# Altium PCB FRONT-UNIT-7.PcbDoc (part 2 of 3)
Units mm, origin at the board's own origin, x right, y up, seen from the top; angles counter-clockwise.
Board outline 280 x 128 mm, 2 copper layers (Top Layer, Top, Bottom Layer, Bottom), stack 1.671 mm thick; 145 components, 118 nets, 623 pads, 1279 vias.
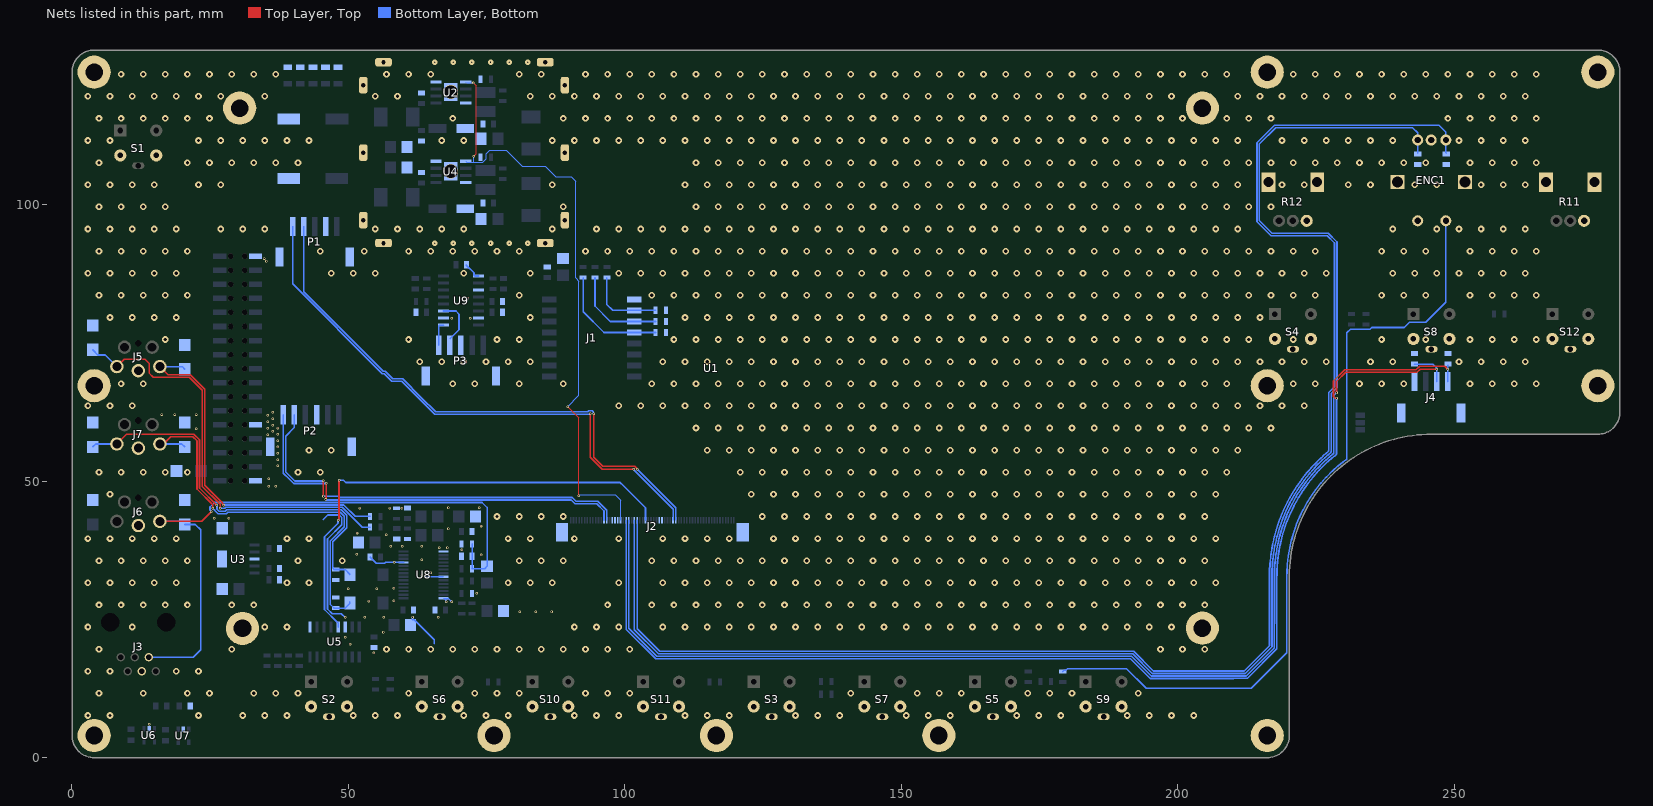
[diagram p2: the nets of this part, all layers, seen from the top]

## Via types
v1: diameter 1.2, hole 0.6, Top Layer, Top to Bottom Layer, Bottom, tented both sides, 1092 vias
v2: diameter 0.45, hole 0.25, Top Layer, Top to Bottom Layer, Bottom, tented both sides, 175 vias
v3: diameter 1, hole 0.25, Top Layer, Top to Bottom Layer, Bottom, tented both sides, 12 vias

## Nets (pads, with @x,y where several pads share a name; then routed paths per layer and width w, separated by ;. In a path a pad name is that pad's centre, name@x,y a point inside that pad or via, vN(x,y) a via of type N, cw(c..) or ccw(c..) an arc to the next point about the centre after c; other vN are vias at no path point) (continued)
CLK: J2.33 U5.13 | length 88.4
  Top Layer, Top w0.3: v2(48.194,42.969) 48.194,43.009 48.311,43.127 v2(48.311,50.203)
  Bottom Layer, Bottom w0.3: U5.13@48.133,23.655 48.133,24.355 47.983,24.505 47.975,24.505 45.673,26.807 45.673,39.949 48.11,42.387 48.11,42.845 48.194,42.928 v2(48.194,42.969) ; v2(48.311,50.203) 49.113,50.203 49.538,49.777 99.143,49.777 99.365,49.555 99.393,49.555 103.725,45.223 J2.33@103.725,42.962
CPU_PW_HOLD: J2.23 P1.5 | length 102.9
  Top Layer, Top w0.254: v2(93.761,62.25) 93.761,54.346 95.944,52.163 101.59,52.163 v2(101.627,52.2)
  Bottom Layer, Bottom w0.254: P1.5@39.891,96.096 39.891,85.734 56.156,69.469 56.464,69.469 57.815,68.118 59.629,68.118 61.346,66.401 65.595,62.152 93.61,62.152 93.708,62.25 v2(93.761,62.25) ; v2(101.627,52.2) 101.627,52.147 101.725,52.049 101.725,51.989 108.725,44.988 J2.23@108.725,42.962
CPU_PW_ON: J2.22 P1.4 | length 102.5
  Top Layer, Top w0.254: v2(94.361,62.25) 94.361,54.386 96.045,52.702 101.835,52.702 102.184,52.352 102.184,52.292 102.227,52.25 v2(102.227,52.197)
  Bottom Layer, Bottom w0.254: P1.4@41.891,96.096 41.891,84.306 56.324,69.873 56.632,69.873 57.982,68.522 59.796,68.522 63.219,65.099 65.762,62.556 93.277,62.556 93.473,62.752 94.118,62.752 94.323,62.547 94.323,62.287 v2(94.361,62.25) ; v2(102.227,52.197) 109.225,45.198 J2.22@109.225,42.962
DCDC_SYNC: J2.42 U2.5 U4.5 | length 110.5
  Top Layer, Top w0.2: v2(72.616,122.047) 73.124,121.539 73.124,109.245 v2(72.642,108.763) ; v2(89.663,63.508) 91.7,61.471 91.7,47.38 v2(91.694,47.374)
  Bottom Layer, Bottom w0.2: U4.5@71.227,107.869 71.425,107.671 72.644,107.671 ; U2.5@71.227,122.225 71.405,122.047 v2(72.616,122.047) ; v2(72.642,108.763) 72.642,107.673 72.644,107.671 ; v2(89.663,63.508) 91.707,65.553 91.707,86.227 91.084,86.85 91.084,104.242 90.272,105.054 87.528,105.054 85.573,107.01 81.411,107.01 78.515,109.906 75.579,109.906 74.922,109.248 74.922,108.303 74.29,107.671 72.644,107.671 ; v2(91.694,47.374) 91.762,47.374 91.965,47.577 98.232,47.577 99.225,46.584 J2.42@99.225,42.962
E1A: C31.2 J2.39 J4.2 | length 219.4
  Top Layer, Top w0.3: v2(228.731,66.04) 228.731,68.049 230.387,69.705 243.288,69.705 243.865,70.282 v2(246.863,70.282)
  Bottom Layer, Bottom w0.3: J2.39@100.725,42.962 100.725,23.43 105.799,18.356 191.658,18.356 195.227,14.788 208.92,14.788 208.926,14.794 212.398,14.794 217.499,19.895 217.499,24.197 217.5,24.239 ccw(c217.2,24.25) 217.5,24.25 217.5,32.804 cw(c220.2,32.81) 217.5,32.861 217.502,32.948 cw(c217.952,32.946) 217.502,32.952 cw(c217.802,32.951) 217.502,32.956 217.504,33.099 ; 217.504,33.1 217.51,33.557 cw(c220.21,33.531) 217.515,33.695 217.588,34.995 cw(c218.487,34.95) 217.589,35.005 217.595,35.12 cw(c220.291,34.97) 217.609,35.285 217.729,36.347 ; 217.729,36.348 217.769,36.698 cw(c220.452,36.403) 217.792,36.862 ; 217.793,36.869 217.799,36.904 ; 217.801,36.919 218.031,38.27 cw(c220.694,37.824) 218.063,38.431 218.075,38.483 cw(c218.514,38.385) 218.076,38.488 218.244,39.224 ccw(c217.952,39.292) 218.244,39.226 218.379,39.817 cw(c221.015,39.229) 218.422,39.985 218.689,40.91 218.816,41.35 cw(c221.414,40.614) 218.87,41.52 218.957,41.767 cw(c220.659,41.183) 218.962,41.784 219.34,42.864 cw(c221.89,41.975) 219.398,43.015 219.445,43.129 ; 219.446,43.13 cw(c220.697,42.623) 219.454,43.149 cw(c221.121,42.471) 219.461,43.167 219.59,43.478 cw(c220.006,43.307) 219.591,43.481 219.944,44.334 cw(c222.441,43.307) 220.011,44.483 220.631,45.771 cw(c223.067,44.606) 220.707,45.918 ; 220.707,45.918 221.099,46.627 cw(c221.494,46.412) 221.102,46.632 ; 221.102,46.632 221.397,47.166 ; 221.397,47.166 cw(c223.764,45.868) 221.481,47.309 222.243,48.521 cw(c224.531,47.088) 222.335,48.659 223.157,49.817 cw(c225.365,48.264) 223.261,49.955 224.145,51.064 cw(c226.264,49.391) 224.257,51.197 225.196,52.248 cw(c225.757,51.75) 225.2,52.252 225.204,52.256 cw(c227.225,50.466) 225.318,52.377 226.333,53.392 cw(c228.244,51.485) 226.456,53.508 226.884,53.891 ccw(c226.685,54.115) 226.887,53.894 227.135,54.115 ccw(c226.936,54.34) 227.137,54.117 227.495,54.437 cw(c228.097,53.768) 227.503,54.444 cw(c227.703,54.221) 227.504,54.445 227.51,54.45 cw(c229.319,52.446) 227.639,54.56 cw(c228.484,53.506) 227.647,54.566 228.059,54.894 cw(c228.343,54.545) 228.063,54.898 228.093,54.922 ccw(c227.906,55.156) 228.206,55.156 228.206,63.688 228.206,65.515 v2(228.731,66.04) ; C31.2@242.849,71.186 246.162,71.186 246.863,70.485 v2(246.863,70.282) J4.2@246.863,68.057
E1B: C30.2 J2.40 J4.1 | length 220.5
  Top Layer, Top w0.3: v2(228.731,64.999) 228.702,65.027 228.444,65.027 228.194,65.278 228.194,68.148 230.2,70.155 243.102,70.155 243.762,70.815 248.31,70.815 v2(248.844,70.282)
  Bottom Layer, Bottom w0.3: J2.40@100.225,42.962 100.225,23.244 105.564,17.906 191.472,17.906 195.04,14.338 210.172,14.338 210.178,14.344 212.584,14.344 217.949,19.708 217.949,22.115 217.95,22.116 217.95,23.788 217.95,24.234 ccw(c217.65,24.243) 217.95,24.242 217.95,31.149 ; 217.95,31.149 217.95,32.807 cw(c220.2,32.81) 217.95,32.853 217.952,32.945 ; 217.952,32.946 217.96,33.551 ; 217.96,33.551 cw(c220.21,33.531) 217.964,33.668 218.037,34.972 cw(c218.487,34.95) 218.038,34.978 218.044,35.095 cw(c220.291,34.97) 218.056,35.231 218.216,36.65 cw(c220.452,36.403) 218.235,36.788 cw(c218.532,36.739) 218.236,36.791 218.243,36.832 cw(c219.575,36.611) 218.245,36.841 218.475,38.196 cw(c220.694,37.824) 218.501,38.329 218.514,38.385 218.818,39.718 cw(c221.015,39.229) 218.854,39.858 219.122,40.788 cw(c219.411,40.706) 219.123,40.79 219.249,41.227 cw(c221.414,40.614) 219.294,41.369 219.382,41.622 cw(c220.659,41.183) 219.387,41.635 ; 219.387,41.635 219.765,42.716 cw(c221.89,41.975) 219.813,42.841 219.863,42.961 ; 219.863,42.961 cw(c220.697,42.623) 219.867,42.972 219.87,42.979 cw(c221.121,42.471) 219.876,42.993 220.006,43.307 220.361,44.164 cw(c222.441,43.307) 220.416,44.286 221.037,45.576 cw(c223.067,44.606) 221.101,45.7 221.494,46.412 221.791,46.948 cw(c223.764,45.868) 221.862,47.069 222.624,48.282 cw(c224.531,47.088) 222.7,48.396 ; 222.7,48.396 223.524,49.557 cw(c225.365,48.264) 223.611,49.673 224.498,50.785 cw(c226.264,49.391) 224.591,50.895 225.533,51.949 cw(c225.757,51.75) 225.535,51.951 225.541,51.958 cw(c227.225,50.466) 225.636,52.059 226.651,53.074 cw(c228.244,51.485) 226.754,53.171 227.435,53.78 227.796,54.103 cw(c228.097,53.768) 227.8,54.105 ccw(c227.602,54.331) 227.803,54.108 227.811,54.116 cw(c229.319,52.446) 227.919,54.207 cw(c228.484,53.506) 227.926,54.213 ; 227.926,54.213 228.341,54.544 ccw(c228.155,54.779) 228.343,54.545 228.459,54.637 ccw(c228.272,54.873) 228.461,54.639 228.478,54.653 cw(c229.042,53.951) 228.482,54.656 228.516,54.683 ; 228.517,54.684 228.638,54.781 cw(c229.202,54.079) 228.642,54.784 228.676,54.811 ccw(c228.489,55.045) 228.731,54.868 v2(228.731,64.999) ; J4.1@248.863,68.057 248.863,70.954 248.895,70.986 C30.2@248.901,70.979
E2A: C29.2 ENC1.3 J2.36 | length 285.3
  Bottom Layer, Bottom w0.3: J2.36@102.225,42.962 102.225,23.353 106.322,19.256 192.031,19.256 195.593,15.694 212.025,15.694 216.599,20.267 216.599,24.47 216.6,24.472 216.6,32.802 cw(c220.2,32.81) 216.601,32.877 216.602,32.955 cw(c217.052,32.951) 216.602,32.958 cw(c217.052,32.955) 216.602,32.962 cw(c217.802,32.951) 216.602,32.97 216.604,33.108 cw(c217.504,33.1) 216.604,33.117 216.61,33.567 cw(c220.21,33.531) 216.617,33.75 216.689,35.04 cw(c218.487,34.95) 216.69,35.053 ccw(c216.391,35.073) 216.69,35.059 216.696,35.171 cw(c220.291,34.97) 216.715,35.39 216.834,36.446 cw(c217.282,36.397) 216.835,36.449 cw(c217.282,36.401) 216.835,36.453 216.874,36.797 cw(c220.452,36.403) 216.905,37.013 cw(c218.532,36.739) 216.906,37.023 216.911,37.052 cw(c219.575,36.611) 216.915,37.075 217.143,38.42 cw(c220.694,37.824) 217.186,38.633 217.196,38.679 cw(c218.514,38.385) 217.199,38.69 217.365,39.419 cw(c218.244,39.226) 217.368,39.431 cw(c217.661,39.365) 217.369,39.433 217.501,40.014 cw(c221.015,39.229) 217.558,40.236 217.823,41.156 ccw(c217.535,41.24) 217.824,41.158 cw(c218.257,41.037) 217.825,41.163 217.95,41.595 ; 217.95,41.595 cw(c221.414,40.614) 218.022,41.823 218.106,42.061 cw(c220.659,41.183) 218.114,42.084 218.49,43.16 cw(c221.89,41.975) 218.567,43.362 218.613,43.473 218.618,43.483 218.621,43.491 ccw(c218.345,43.607) 218.622,43.493 cw(c221.121,42.471) 218.631,43.515 218.757,43.82 cw(c220.006,43.307) 218.762,43.83 ; 218.762,43.83 219.111,44.675 cw(c222.441,43.307) 219.201,44.876 219.819,46.158 cw(c223.067,44.606) 219.92,46.355 220.31,47.059 cw(c221.494,46.412) 220.315,47.069 220.608,47.599 cw(c223.764,45.868) 220.72,47.79 221.479,48.997 cw(c224.531,47.088) 221.603,49.183 222.421,50.335 cw(c225.365,48.264) 222.558,50.517 223.44,51.623 cw(c226.264,49.391) 223.589,51.8 224.522,52.844 ; 224.522,52.844 cw(c225.757,51.75) 224.531,52.855 cw(c227.225,50.466) 224.682,53.014 225.696,54.028 cw(c228.244,51.485) 225.86,54.182 226.279,54.557 cw(c226.884,53.891) 226.282,54.56 cw(c226.887,53.894) 226.289,54.566 226.534,54.785 cw(c227.135,54.115) 226.54,54.79 226.893,55.106 cw(c228.097,53.768) 226.907,55.119 ccw(c226.708,55.343) 226.91,55.121 cw(c229.319,52.446) 227.078,55.263 cw(c228.484,53.506) 227.088,55.271 227.193,55.355 ccw(c227.006,55.589) 227.306,55.589 227.306,66.074 228.356,67.124 228.356,93.105 227.042,94.419 216.882,94.419 214.335,96.966 214.335,111.236 217.526,114.427 247.269,114.427 248.5,113.196 ENC1.3@248.5,111.73 ; ENC1.3@248.495,111.725 248.5,111.72 248.5,109.46 C29.2@248.575,109.385
E2B: C28.2 ENC1.5 J2.37 | length 280.7
  Bottom Layer, Bottom w0.3: J2.37@101.725,42.962 101.725,23.167 106.086,18.806 191.845,18.806 195.406,15.244 212.212,15.244 217.049,20.081 217.049,24.285 217.05,24.286 217.05,32.804 cw(c220.2,32.81) 217.051,32.869 217.052,32.951 ccw(c216.752,32.957) 217.052,32.955 217.052,32.957 cw(c217.802,32.951) 217.052,32.962 217.054,33.104 cw(c217.504,33.1) 217.054,33.109 217.06,33.562 cw(c220.21,33.531) 217.066,33.723 217.139,35.017 cw(c218.487,34.95) 217.139,35.031 217.146,35.145 cw(c220.291,34.97) 217.162,35.337 217.282,36.397 ccw(c216.984,36.433) 217.282,36.401 217.321,36.747 cw(c220.452,36.403) 217.348,36.936 cw(c218.532,36.739) 217.35,36.946 217.355,36.978 cw(c219.575,36.611) 217.358,36.996 217.587,38.344 cw(c220.694,37.824) 217.625,38.533 217.636,38.581 cw(c218.514,38.385) 217.637,38.589 217.805,39.322 cw(c218.244,39.226) 217.806,39.33 217.94,39.915 cw(c221.015,39.229) 217.99,40.11 218.257,41.035 ccw(c217.968,41.118) 218.257,41.037 ; 218.257,41.037 218.383,41.473 cw(c221.414,40.614) 218.446,41.671 218.531,41.915 cw(c220.659,41.183) 218.538,41.935 218.915,43.012 cw(c221.89,41.975) 218.983,43.188 219.03,43.302 cw(c220.697,42.623) 219.037,43.32 cw(c221.121,42.471) 219.046,43.341 219.174,43.65 cw(c220.006,43.307) 219.177,43.657 219.528,44.504 cw(c222.441,43.307) 219.606,44.679 220.225,45.965 cw(c223.067,44.606) 220.314,46.137 220.705,46.844 ; 220.705,46.844 cw(c221.494,46.412) 220.709,46.851 221.002,47.382 cw(c223.764,45.868) 221.101,47.549 221.861,48.759 cw(c224.531,47.088) 221.969,48.921 222.788,50.075 cw(c225.365,48.264) 222.909,50.236 ; 222.909,50.236 223.792,51.343 cw(c226.264,49.391) 223.923,51.499 224.859,52.546 cw(c225.757,51.75) 224.867,52.554 cw(c227.225,50.466) 225,52.696 226.014,53.71 cw(c228.244,51.485) 226.159,53.846 226.291,53.965 226.582,54.224 cw(c226.884,53.891) 226.584,54.226 cw(c226.887,53.894) 226.588,54.23 226.834,54.45 cw(c227.135,54.115) 226.838,54.453 227.194,54.771 cw(c228.097,53.768) 227.202,54.778 cw(c227.703,54.221) 227.206,54.782 227.21,54.785 cw(c229.319,52.446) 227.359,54.911 cw(c228.484,53.506) 227.368,54.918 227.643,55.138 ccw(c227.456,55.372) 227.756,55.372 227.756,65.887 228.806,66.937 228.806,93.292 227.228,94.869 217.068,94.869 214.785,97.152 214.785,111.05 217.712,113.977 242.487,113.977 243.42,113.044 ENC1.5@243.42,111.73 243.42,109.391 C28.2@243.408,109.38
ENC2_SW: ENC1.2 R29.1 | length 141.1
  Bottom Layer, Bottom w0.3: R29.1@179.222,15.606 179.422,15.806 179.763,15.806 180.061,16.104 190.729,16.104 194.295,12.538 213.327,12.538 219.75,18.96 219.75,20.766 219.75,23.043 219.75,32.81 cw(c220.2,32.81) 219.75,32.819 219.76,33.535 cw(c220.21,33.531) 219.761,33.559 ; 219.761,33.559 219.842,34.996 cw(c220.291,34.97) 219.844,35.023 ; 219.844,35.023 220.005,36.453 cw(c220.452,36.403) 220.009,36.478 220.25,37.899 cw(c220.694,37.824) 220.255,37.924 220.575,39.326 cw(c221.015,39.229) 220.582,39.354 220.98,40.736 cw(c221.414,40.614) 220.989,40.765 221.465,42.123 cw(c221.89,41.975) 221.474,42.147 222.026,43.479 cw(c222.441,43.307) 222.036,43.502 222.661,44.801 cw(c223.067,44.606) 222.674,44.825 223.37,46.085 cw(c223.764,45.868) 223.383,46.107 224.15,47.328 cw(c224.531,47.088) 224.165,47.349 224.997,48.522 cw(c225.365,48.264) 225.015,48.546 225.911,49.67 cw(c226.264,49.391) 225.929,49.691 226.889,50.765 cw(c227.225,50.466) 226.907,50.784 227.926,51.803 cw(c228.244,51.485) 227.946,51.823 229.018,52.78 cw(c229.319,52.446) 229.04,52.799 229.859,53.452 230.166,53.696 cw(c230.446,53.345) 230.186,53.712 230.48,53.92 ccw(c230.306,54.165) 230.606,54.165 230.606,76.868 231.255,77.517 234.78,77.517 235.077,77.814 240.99,77.814 241.928,78.752 244.868,78.752 248.49,82.374 ENC1.2@248.49,97.015
ESP_IO0: J1.12 R5.2 R8.1 | length 20.8
  Bottom Layer, Bottom w0.3: R5.2@92.456,86.832 92.456,80.67 96.215,76.911 R8.1@105.578,76.911
ESP_IO2: J1.11 R4.2 R7.1 | length 17.3
  Bottom Layer, Bottom w0.3: R4.2@94.602,86.832 94.602,81.699 97.384,78.918 R7.1@105.578,78.918
ESP_IO15: J1.10 R3.2 R6.1 | length 14.1
  Bottom Layer, Bottom w0.3: R3.2@96.749,86.832 96.749,81.991 97.815,80.924 R6.1@105.578,80.924
GND: C1.2 C2.2 C3.2 C4.2 C5.2 C6.2 C7.2 C8.1 C9.2 C10.1 C11.2 C12.1 C13.2 C14.1 C15.2 C16.1 C17.2 C18.2 C19.1 C20.1 C21.1 C22.2 C23.2 C24.2 C25.1 C26.1 C27.1 C28.1 C29.1 C30.1 C31.1 C32.2 C33.2 C35.2 C36.1 C38.1 C39.1 C40.1 C41.2 C43.1 C44.2 C45.1 C48.2 C49.2 C52.2 C53.2 D1.2 D2.2 D3.2 D4.2 D5.2 D6.2 D7.2 ENC1.1 ENC1.4 ENC1.6 ENC1.7 J1.9 J2.27 J2.28 J2.43 J2.44 J2.45 J2.61 J2.62 J3.3 J4.4 J4.5 J4.6 J5.2 J6.2 J7.2 P1.2 P1.MP1 P1.MP2 P2.3 P2.MP1 P2.MP2 P3.3 P3.MP1 P3.MP2 pad. pad.7 R1.1 R6.2 R7.2 R8.2 R9.1 R11.3 R11.4 R11.5 R12.3 R12.4 R12.5 R34.1 R37.1 R38.1 R41.1 R42.1 R43.1 S1.3 S1.4 S2.3 S2.4 S2.5 S3.3 S3.4 S3.5 S4.3 S4.4 S4.5 S5.3 S5.4 S5.5 S6.3 S6.4 S6.5 S7.3 S7.4 S7.5 S8.3 S8.4 S8.5 S9.3 S9.4 S9.5 S10.3 S10.4 S10.5 S11.3 S11.4 S11.5 S12.3 S12.4 S12.5 U1.0 U1.2 U1.26 U1.34 U2.4 U2.8 U2.9 U3.3 U3.6 U4.4 U4.8 U4.9 U5.9 U5.14 U6.2 U7.2 U8.11 U8.15 U8.22 U8.28 U9.2 U9.9 U9.11 U9.15 | length 47.2
  Bottom Layer, Bottom w0.3: 45.464,43.076 46.288,43.9 48.374,43.9 48.808,43.466 48.808,42.153 46.228,39.573 46.228,26.889 47.056,26.06 48.717,26.06 v2(49.403,25.375) ; C40.1@53.959,36.334 53.959,36.234 55.039,35.154 56.546,35.154 56.723,35.331 v2(58.268,35.331) 58.269,35.333 59.982,35.333 U8.11@59.983,35.334 ; v2(61.595,25.375) 61.595,24.978 61.609,24.965 61.9,24.965 65.507,21.358 65.507,20.658 ; 64.135,32.791 64.192,32.734 U8.22@67.183,32.734 ; U8.28@67.233,28.784 U8.28@67.633,28.784 ; v2(67.716,28.194) 67.716,28.235 67.633,28.318 U8.28@67.633,28.784 ; v2(68.682,28.194) 68.091,28.784 U8.28@67.633,28.784 ; C53.2@71.333,89.154 71.333,89.076 72.712,87.698 72.712,87.296 72.862,87.146 U9.9@73.562,87.146
  other v1: 2.881,7.638 6.881,7.638 22.881,7.638 30.881,7.638 34.881,7.638 38.881,7.638 50.881,7.638 54.881,7.638 58.881,7.638 70.881,7.638 74.881,7.638 78.881,7.638 90.881,7.638 94.881,7.638 98.881,7.638 110.881,7.638 114.881,7.638 118.881,7.638 130.881,7.638 134.881,7.638 138.881,7.638 150.881,7.638 154.881,7.638 158.881,7.638 170.881,7.638 174.881,7.638 178.881,7.638 190.881,7.638 194.881,7.638 198.881,7.638 202.881,7.638 4.881,11.638 12.881,11.638 20.881,11.638 24.881,11.638 32.881,11.638 36.881,11.638 40.881,11.638 60.881,11.638 72.881,11.638 76.881,11.638 80.881,11.638 92.881,11.638 96.881,11.638 100.881,11.638 140.881,11.638 152.881,11.638 156.881,11.638 160.881,11.638 172.881,11.638 176.881,11.638 180.881,11.638 192.881,11.638 2.881,15.638 6.881,15.638 18.881,15.638 22.881,15.638 4.881,19.638 28.881,19.638 56.881,19.638 60.881,19.638 64.881,19.638 68.881,19.638 72.881,19.638 76.881,19.638 80.881,19.638 84.881,19.638 88.881,19.638 92.881,19.638 96.881,19.638 100.881,19.638 196.881,19.638 200.881,19.638 204.881,19.638 2.881,23.638 10.881,23.638 34.881,23.638 38.881,23.638 90.881,23.638 94.881,23.638 98.881,23.638 106.881,23.638 110.881,23.638 114.881,23.638 118.881,23.638 122.881,23.638 126.881,23.638 130.881,23.638 134.881,23.638 138.881,23.638 142.881,23.638 146.881,23.638 150.881,23.638 154.881,23.638 158.881,23.638 162.881,23.638 166.881,23.638 170.881,23.638 174.881,23.638 178.881,23.638 182.881,23.638 186.881,23.638 190.881,23.638 194.881,23.638 198.881,23.638 4.881,27.638 8.881,27.638 12.881,27.638 16.881,27.638 20.881,27.638 28.881,27.638 32.881,27.638 96.881,27.638 104.881,27.638 108.881,27.638 112.881,27.638 116.881,27.638 120.881,27.638 124.881,27.638 128.881,27.638 132.881,27.638 136.881,27.638 140.881,27.638 144.881,27.638 148.881,27.638 152.881,27.638 156.881,27.638 160.881,27.638 164.881,27.638 168.881,27.638 172.881,27.638 176.881,27.638 180.881,27.638 184.881,27.638 188.881,27.638 192.881,27.638 196.881,27.638 200.881,27.638 204.881,27.638 2.881,31.638 6.881,31.638 10.881,31.638 14.881,31.638 18.881,31.638 38.881,31.638 42.881,31.638 78.881,31.638 82.881,31.638 86.881,31.638 98.881,31.638 106.881,31.638 110.881,31.638 114.881,31.638 118.881,31.638 122.881,31.638 126.881,31.638 130.881,31.638 134.881,31.638 138.881,31.638 142.881,31.638 146.881,31.638 150.881,31.638 154.881,31.638 158.881,31.638 162.881,31.638 166.881,31.638 170.881,31.638 174.881,31.638 178.881,31.638 182.881,31.638 186.881,31.638 190.881,31.638 194.881,31.638 198.881,31.638 202.881,31.638 206.881,31.638 4.881,35.638 8.881,35.638 12.881,35.638 16.881,35.638 20.881,35.638 40.881,35.638 48.881,35.638 80.881,35.638 84.881,35.638 88.881,35.638 104.881,35.638 108.881,35.638 112.881,35.638 116.881,35.638 120.881,35.638 124.881,35.638 128.881,35.638 132.881,35.638 136.881,35.638 140.881,35.638 144.881,35.638 148.881,35.638 152.881,35.638 156.881,35.638 160.881,35.638 164.881,35.638 168.881,35.638 172.881,35.638 176.881,35.638 180.881,35.638 184.881,35.638 188.881,35.638 192.881,35.638 196.881,35.638 200.881,35.638 204.881,35.638 2.881,39.638 6.881,39.638 10.881,39.638 14.881,39.638 18.881,39.638 38.881,39.638 42.881,39.638 78.881,39.638 82.881,39.638 90.881,39.638 98.881,39.638 106.881,39.638 110.881,39.638 114.881,39.638 118.881,39.638 126.881,39.638 130.881,39.638 134.881,39.638 138.881,39.638 142.881,39.638 146.881,39.638 150.881,39.638 154.881,39.638 158.881,39.638 162.881,39.638 166.881,39.638 170.881,39.638 174.881,39.638 178.881,39.638 182.881,39.638 186.881,39.638 190.881,39.638 194.881,39.638 198.881,39.638 202.881,39.638 206.881,39.638 76.881,43.638 80.881,43.638 84.881,43.638 88.881,43.638 124.881,43.638 128.881,43.638 132.881,43.638 136.881,43.638 140.881,43.638 144.881,43.638 148.881,43.638 152.881,43.638 156.881,43.638 160.881,43.638 164.881,43.638 168.881,43.638 172.881,43.638 176.881,43.638 180.881,43.638 184.881,43.638 188.881,43.638 192.881,43.638 196.881,43.638 200.881,43.638 204.881,43.638 6.881,47.638 122.881,47.638 126.881,47.638 130.881,47.638 134.881,47.638 138.881,47.638 142.881,47.638 146.881,47.638 150.881,47.638 154.881,47.638 158.881,47.638 162.881,47.638 166.881,47.638 170.881,47.638 174.881,47.638 178.881,47.638 182.881,47.638 186.881,47.638 190.881,47.638 194.881,47.638 198.881,47.638 202.881,47.638 206.881,47.638 4.881,51.638 8.881,51.638 12.881,51.638 16.881,51.638 20.881,51.638 40.881,51.638 44.881,51.638 120.881,51.638 124.881,51.638 128.881,51.638 132.881,51.638 136.881,51.638 140.881,51.638 144.881,51.638 148.881,51.638 152.881,51.638 156.881,51.638 160.881,51.638 164.881,51.638 168.881,51.638 172.881,51.638 176.881,51.638 180.881,51.638 184.881,51.638 188.881,51.638 192.881,51.638 196.881,51.638 200.881,51.638 204.881,51.638 208.881,51.638 42.881,55.638 46.881,55.638 114.881,55.638 118.881,55.638 122.881,55.638 126.881,55.638 130.881,55.638 134.881,55.638 138.881,55.638 142.881,55.638 146.881,55.638 150.881,55.638 154.881,55.638 158.881,55.638 162.881,55.638 166.881,55.638 170.881,55.638 174.881,55.638 178.881,55.638 182.881,55.638 186.881,55.638 190.881,55.638 194.881,55.638 198.881,55.638 202.881,55.638 206.881,55.638 210.881,55.638 112.881,59.638 116.881,59.638 120.881,59.638 124.881,59.638 128.881,59.638 132.881,59.638 136.881,59.638 140.881,59.638 144.881,59.638 148.881,59.638 152.881,59.638 156.881,59.638 160.881,59.638 164.881,59.638 168.881,59.638 172.881,59.638 176.881,59.638 180.881,59.638 184.881,59.638 188.881,59.638 192.881,59.638 196.881,59.638 200.881,59.638 204.881,59.638 208.881,59.638 212.881,59.638 216.881,59.638 2.881,63.638 6.881,63.638 10.881,63.638 98.881,63.638 102.881,63.638 106.881,63.638 110.881,63.638 114.881,63.638 118.881,63.638 122.881,63.638 126.881,63.638 130.881,63.638 134.881,63.638 138.881,63.638 142.881,63.638 146.881,63.638 150.881,63.638 154.881,63.638 158.881,63.638 162.881,63.638 166.881,63.638 170.881,63.638 174.881,63.638 178.881,63.638 182.881,63.638 186.881,63.638 190.881,63.638 194.881,63.638 198.881,63.638 202.881,63.638 206.881,63.638 210.881,63.638 214.881,63.638 218.881,63.638 222.881,63.638 8.881,67.638 12.881,67.638 68.881,67.638 72.881,67.638 80.881,67.638 88.881,67.638 104.881,67.638 108.881,67.638 112.881,67.638 116.881,67.638 120.881,67.638 124.881,67.638 128.881,67.638 132.881,67.638 136.881,67.638 140.881,67.638 144.881,67.638 148.881,67.638 152.881,67.638 156.881,67.638 160.881,67.638 164.881,67.638 168.881,67.638 172.881,67.638 176.881,67.638 180.881,67.638 184.881,67.638 188.881,67.638 192.881,67.638 196.881,67.638 200.881,67.638 204.881,67.638 208.881,67.638 220.881,67.638 224.881,67.638 232.881,67.638 236.881,67.638 240.881,67.638 252.881,67.638 256.881,67.638 260.881,67.638 264.881,67.638 62.881,71.638 66.881,71.638 70.881,71.638 74.881,71.638 78.881,71.638 82.881,71.638 106.881,71.638 110.881,71.638 114.881,71.638 118.881,71.638 122.881,71.638 126.881,71.638 130.881,71.638 134.881,71.638 138.881,71.638 142.881,71.638 146.881,71.638 150.881,71.638 154.881,71.638 158.881,71.638 162.881,71.638 166.881,71.638 170.881,71.638 174.881,71.638 178.881,71.638 182.881,71.638 186.881,71.638 190.881,71.638 194.881,71.638 198.881,71.638 202.881,71.638 206.881,71.638 210.881,71.638 214.881,71.638 218.881,71.638 222.881,71.638 226.881,71.638 234.881,71.638 238.881,71.638 250.881,71.638 254.881,71.638 258.881,71.638 262.881,71.638 16.881,75.638 60.881,75.638 76.881,75.638 80.881,75.638 108.881,75.638 112.881,75.638 116.881,75.638 120.881,75.638 124.881,75.638 128.881,75.638 132.881,75.638 136.881,75.638 140.881,75.638 144.881,75.638 148.881,75.638 152.881,75.638 156.881,75.638 160.881,75.638 164.881,75.638 168.881,75.638 172.881,75.638 176.881,75.638 180.881,75.638 184.881,75.638 188.881,75.638 192.881,75.638 196.881,75.638 200.881,75.638 204.881,75.638 208.881,75.638 212.881,75.638 220.881,75.638 236.881,75.638 244.881,75.638 252.881,75.638 256.881,75.638 260.881,75.638 264.881,75.638 6.881,79.638 10.881,79.638 14.881,79.638 18.881,79.638 82.881,79.638 110.881,79.638 114.881,79.638 118.881,79.638 122.881,79.638 126.881,79.638 130.881,79.638 134.881,79.638 138.881,79.638 142.881,79.638 146.881,79.638 150.881,79.638 154.881,79.638 158.881,79.638 162.881,79.638 166.881,79.638 170.881,79.638 174.881,79.638 178.881,79.638 182.881,79.638 186.881,79.638 190.881,79.638 194.881,79.638 198.881,79.638 202.881,79.638 206.881,79.638 210.881,79.638 214.881,79.638 4.881,83.638 8.881,83.638 12.881,83.638 16.881,83.638 20.881,83.638 80.881,83.638 104.881,83.638 108.881,83.638 112.881,83.638 116.881,83.638 120.881,83.638 124.881,83.638 128.881,83.638 132.881,83.638 136.881,83.638 140.881,83.638 144.881,83.638 148.881,83.638 152.881,83.638 156.881,83.638 160.881,83.638 164.881,83.638 168.881,83.638 172.881,83.638 176.881,83.638 180.881,83.638 184.881,83.638 188.881,83.638 192.881,83.638 196.881,83.638 200.881,83.638 204.881,83.638 208.881,83.638 212.881,83.638 216.881,83.638 220.881,83.638 224.881,83.638 236.881,83.638 240.881,83.638 244.881,83.638 252.881,83.638 256.881,83.638 260.881,83.638 264.881,83.638 2.881,87.638 6.881,87.638 10.881,87.638 14.881,87.638 18.881,87.638 46.881,87.638 50.881,87.638 54.881,87.638 70.881,87.638 82.881,87.638 98.881,87.638 102.881,87.638 106.881,87.638 110.881,87.638 114.881,87.638 118.881,87.638 122.881,87.638 126.881,87.638 130.881,87.638 134.881,87.638 138.881,87.638 142.881,87.638 146.881,87.638 150.881,87.638 154.881,87.638 158.881,87.638 162.881,87.638 166.881,87.638 170.881,87.638 174.881,87.638 178.881,87.638 182.881,87.638 186.881,87.638 190.881,87.638 194.881,87.638 198.881,87.638 202.881,87.638 206.881,87.638 210.881,87.638 214.881,87.638 218.881,87.638 222.881,87.638 226.881,87.638 238.881,87.638 242.881,87.638 246.881,87.638 250.881,87.638 254.881,87.638 258.881,87.638 262.881,87.638 4.881,91.638 8.881,91.638 12.881,91.638 16.881,91.638 20.881,91.638 44.881,91.638 52.881,91.638 60.881,91.638 64.881,91.638 68.881,91.638 72.881,91.638 76.881,91.638 80.881,91.638 92.881,91.638 96.881,91.638 100.881,91.638 104.881,91.638 108.881,91.638 112.881,91.638 116.881,91.638 120.881,91.638 124.881,91.638 128.881,91.638 132.881,91.638 136.881,91.638 140.881,91.638 144.881,91.638 148.881,91.638 152.881,91.638 156.881,91.638 160.881,91.638 164.881,91.638 168.881,91.638 172.881,91.638 176.881,91.638 180.881,91.638 184.881,91.638 188.881,91.638 192.881,91.638 196.881,91.638 200.881,91.638 204.881,91.638 208.881,91.638 212.881,91.638 216.881,91.638 220.881,91.638 224.881,91.638 236.881,91.638 240.881,91.638 244.881,91.638 252.881,91.638 256.881,91.638 260.881,91.638 264.881,91.638 2.881,95.638 6.881,95.638 10.881,95.638 14.881,95.638 18.881,95.638 26.881,95.638 30.881,95.638 34.881,95.638 54.881,95.638 58.881,95.638 62.881,95.638 66.881,95.638 70.881,95.638 86.881,95.638 94.881,95.638 98.881,95.638 102.881,95.638 106.881,95.638 110.881,95.638 114.881,95.638 118.881,95.638 122.881,95.638 126.881,95.638 130.881,95.638 134.881,95.638 138.881,95.638 142.881,95.638 146.881,95.638 150.881,95.638 154.881,95.638 158.881,95.638 162.881,95.638 166.881,95.638 170.881,95.638 174.881,95.638 178.881,95.638 182.881,95.638 186.881,95.638 190.881,95.638 194.881,95.638 198.881,95.638 202.881,95.638 206.881,95.638 210.881,95.638 238.881,95.638 246.881,95.638 250.881,95.638 254.881,95.638 258.881,95.638 262.881,95.638 4.881,99.638 8.881,99.638 12.881,99.638 16.881,99.638 88.881,99.638 112.881,99.638 116.881,99.638 120.881,99.638 124.881,99.638 128.881,99.638 132.881,99.638 136.881,99.638 140.881,99.638 144.881,99.638 148.881,99.638 152.881,99.638 156.881,99.638 160.881,99.638 164.881,99.638 168.881,99.638 172.881,99.638 176.881,99.638 180.881,99.638 184.881,99.638 188.881,99.638 192.881,99.638 196.881,99.638 200.881,99.638 204.881,99.638 208.881,99.638 212.881,99.638 216.881,99.638 2.881,103.638 6.881,103.638 10.881,103.638 14.881,103.638 22.881,103.638 26.881,103.638 86.881,103.638 110.881,103.638 114.881,103.638 118.881,103.638 122.881,103.638 126.881,103.638 130.881,103.638 134.881,103.638 138.881,103.638 142.881,103.638 146.881,103.638 150.881,103.638 154.881,103.638 158.881,103.638 162.881,103.638 166.881,103.638 170.881,103.638 174.881,103.638 178.881,103.638 182.881,103.638 186.881,103.638 190.881,103.638 194.881,103.638 198.881,103.638 202.881,103.638 206.881,103.638 210.881,103.638 218.881,103.638 222.881,103.638 230.881,103.638 234.881,103.638 242.881,103.638 246.881,103.638 254.881,103.638 258.881,103.638 262.881,103.638 4.881,107.638 20.881,107.638 24.881,107.638 28.881,107.638 32.881,107.638 36.881,107.638 40.881,107.638 112.881,107.638 116.881,107.638 120.881,107.638 124.881,107.638 128.881,107.638 132.881,107.638 136.881,107.638 140.881,107.638 144.881,107.638 148.881,107.638 152.881,107.638 156.881,107.638 160.881,107.638 164.881,107.638 168.881,107.638 172.881,107.638 176.881,107.638 180.881,107.638 184.881,107.638 188.881,107.638 192.881,107.638 196.881,107.638 200.881,107.638 204.881,107.638 208.881,107.638 212.881,107.638 216.881,107.638 220.881,107.638 224.881,107.638 228.881,107.638 232.881,107.638 236.881,107.638 240.881,107.638 244.881,107.638 252.881,107.638 256.881,107.638 260.881,107.638 264.881,107.638 2.881,111.638 6.881,111.638 22.881,111.638 26.881,111.638 30.881,111.638 34.881,111.638 38.881,111.638 42.881,111.638 66.881,111.638 70.881,111.638 86.881,111.638 90.881,111.638 94.881,111.638 98.881,111.638 102.881,111.638 106.881,111.638 110.881,111.638 114.881,111.638 118.881,111.638 122.881,111.638 126.881,111.638 130.881,111.638 134.881,111.638 138.881,111.638 142.881,111.638 146.881,111.638 150.881,111.638 154.881,111.638 158.881,111.638 162.881,111.638 166.881,111.638 170.881,111.638 174.881,111.638 178.881,111.638 182.881,111.638 186.881,111.638 190.881,111.638 194.881,111.638 198.881,111.638 202.881,111.638 206.881,111.638 210.881,111.638 218.881,111.638 222.881,111.638 226.881,111.638 230.881,111.638 234.881,111.638 238.881,111.638 250.881,111.638 254.881,111.638 258.881,111.638 262.881,111.638 4.881,115.638 8.881,115.638 12.881,115.638 16.881,115.638 20.881,115.638 24.881,115.638 68.881,115.638 88.881,115.638 92.881,115.638 96.881,115.638 100.881,115.638 104.881,115.638 108.881,115.638 112.881,115.638 116.881,115.638 120.881,115.638 124.881,115.638 128.881,115.638 132.881,115.638 136.881,115.638 140.881,115.638 144.881,115.638 148.881,115.638 152.881,115.638 156.881,115.638 160.881,115.638 164.881,115.638 168.881,115.638 172.881,115.638 176.881,115.638 180.881,115.638 184.881,115.638 188.881,115.638 192.881,115.638 196.881,115.638 200.881,115.638 208.881,115.638 212.881,115.638 216.881,115.638 248.881,115.638 252.881,115.638 256.881,115.638 260.881,115.638 264.881,115.638 2.881,119.638 6.881,119.638 10.881,119.638 14.881,119.638 18.881,119.638 22.881,119.638 26.881,119.638 34.881,119.638 54.881,119.638 58.881,119.638 82.881,119.638 86.881,119.638 90.881,119.638 94.881,119.638 98.881,119.638 102.881,119.638 106.881,119.638 110.881,119.638 114.881,119.638 118.881,119.638 122.881,119.638 126.881,119.638 130.881,119.638 134.881,119.638 138.881,119.638 142.881,119.638 146.881,119.638 150.881,119.638 154.881,119.638 158.881,119.638 162.881,119.638 166.881,119.638 170.881,119.638 174.881,119.638 178.881,119.638 182.881,119.638 186.881,119.638 190.881,119.638 194.881,119.638 198.881,119.638 210.881,119.638 214.881,119.638 218.881,119.638 222.881,119.638 226.881,119.638 230.881,119.638 234.881,119.638 238.881,119.638 242.881,119.638 246.881,119.638 250.881,119.638 254.881,119.638 258.881,119.638 262.881,119.638 8.881,123.638 12.881,123.638 16.881,123.638 20.881,123.638 24.881,123.638 28.881,123.638 32.881,123.638 36.881,123.638 56.881,123.638 60.881,123.638 64.881,123.638 80.881,123.638 84.881,123.638 92.881,123.638 96.881,123.638 100.881,123.638 104.881,123.638 108.881,123.638 112.881,123.638 116.881,123.638 120.881,123.638 124.881,123.638 128.881,123.638 132.881,123.638 136.881,123.638 140.881,123.638 144.881,123.638 148.881,123.638 152.881,123.638 156.881,123.638 160.881,123.638 164.881,123.638 168.881,123.638 172.881,123.638 176.881,123.638 180.881,123.638 184.881,123.638 188.881,123.638 192.881,123.638 196.881,123.638 200.881,123.638 204.881,123.638 208.881,123.638 220.881,123.638 224.881,123.638 228.881,123.638 232.881,123.638 236.881,123.638 240.881,123.638 244.881,123.638 248.881,123.638 252.881,123.638 256.881,123.638 260.881,123.638 264.881,123.638
  other v2: 13.995,6.071 54.61,18.948 50.292,20.523 49.403,21.768 56.337,22.682 52.984,25.375 56.388,25.375 66.243,25.375 80.988,26.416 83.864,26.416 86.741,26.416 53.696,28.346 58.242,28.372 73.203,29.743 55.093,30.556 49.962,30.582 58.242,30.632 63.297,32.918 64.897,33.426 63.297,35.789 74.016,36.678 51.537,36.779 70.536,37.617 66.421,37.948 67.92,37.948 57.658,38.252 63.297,38.252 59.766,38.278 56.871,40.31 51.562,40.64 68.097,41.402 73.99,41.91 25.756,43.307 28.397,43.307 59.69,45.136 52.019,45.161 57.48,45.161 68.097,45.187 73.66,45.212 35.585,49.098 36.855,49.098 35.585,50.495 37.211,52.781 37.211,53.924 37.211,55.067 37.211,56.21 37.211,57.353 35.382,58.42 37.211,58.496 36.297,59.03 22.504,59.487 35.382,59.563 37.211,59.639 36.297,60.173 35.382,60.757 36.297,61.316 35.382,61.925 16.231,62.078 18.567,62.078 22.504,62.078 36.297,62.459 68.707,79.502 72.06,79.502 71.628,83.083 35.179,89.814 34.798,90.297
  other v3: 65.594,93.091 68.965,93.091 72.336,93.091 75.707,93.091 79.078,93.091 82.448,93.091 65.594,125.808 68.965,125.808 72.336,125.808 75.707,125.808 79.078,125.808 82.448,125.808
HEADPHONE_L: C46.1 D7.1 J7.3 R42.2 | length 71.7
  Top Layer, Top w0.3: J7.3@15.9,56.75 16.308,57.158 16.975,57.158 17.889,58.072 21.862,58.072 22.606,57.328 22.606,48.614 25.451,45.769 25.451,45.161 v2(25.476,45.136)
  Bottom Layer, Bottom w0.3: J7.3@15.9,56.75 19.875,56.75 D7.1@20.4,56.225 ; v2(25.476,45.136) 25.476,45.095 25.772,44.8 25.772,44.782 26.419,44.135 27.933,44.135 28.175,44.377 48.533,44.377 49.258,43.653 49.258,41.766 46.743,39.252 46.743,34.236 46.743,27.724 47.396,27.071 47.396,27.066 49.409,27.066 50.254,27.911 C46.1@50.254,28.016 C46.1@50.254,28.186
HEADPHONE_R: C47.1 D6.1 J7.6 R43.2 | length 72.9
  Top Layer, Top w0.3: J7.6@8.1,56.75 9.872,58.522 22.049,58.522 23.056,57.514 23.056,48.801 v2(26.213,45.644)
  Bottom Layer, Bottom w0.3: D6.1@3.759,56.225 4.284,56.75 J7.6@8.1,56.75 ; v2(26.213,45.644) 26.222,45.635 26.222,44.969 26.605,44.585 27.747,44.585 27.988,44.827 48.72,44.827 49.708,43.839 49.708,41.58 47.193,39.065 47.193,34.422 47.201,34.414 47.201,34.246 47.401,34.046 49.409,34.046 50.254,33.201 C47.1@50.254,33.096
KEY_IN_DASH: J2.48 P2.6 | length 75
  Top Layer, Top w0.3: v2(45.898,46.711) 45.926,46.739 45.926,46.962 46.016,47.052 46.016,49.578 45.957,49.637 v2(45.957,49.678)
  Bottom Layer, Bottom w0.3: P2.6@38.231,62.006 38.231,51.483 39.293,50.422 40.111,49.603 45.841,49.603 45.916,49.678 v2(45.957,49.678) ; v2(45.898,46.711) 45.938,46.711 46.022,46.627 90.303,46.627 90.981,45.949 94.901,45.949 96.225,44.625 J2.48@96.225,42.962
KEY_IN_DOT: J2.47 P2.5 | length 75.4
  Top Layer, Top w0.3: v2(45.466,50.128) 45.466,50.087 45.432,50.053 45.432,47.435 45.463,47.404 45.463,47.298 v2(45.491,47.269)
  Bottom Layer, Bottom w0.3: P2.5@40.231,62.006 40.231,59.716 38.681,58.166 38.681,51.67 39.479,50.872 40.298,50.053 45.35,50.053 45.425,50.128 v2(45.466,50.128) ; v2(45.491,47.269) 48.228,47.269 48.42,47.077 90.489,47.077 91.168,46.399 95.088,46.399 96.725,44.761 J2.47@96.725,42.962
L+: P3.5 U9.1 | length 4.4
  Bottom Layer, Bottom w0.3: P3.5@66.358,74.582 66.358,78.102 66.512,78.256 U9.1@67.212,78.256
L-: P3.4 U9.3 | length 8.1
  Bottom Layer, Bottom w0.3: U9.3@67.213,80.797 69.45,80.797 70.009,80.239 70.009,77.426 P3.4@68.416,75.832
LINEIN_L: D4.1 J5.3 R35.1 | length 64.3
  Top Layer, Top w0.3: J5.3@15.9,70.75 17.366,69.284 21.37,69.284 24.021,66.633 24.021,49.259 27.272,46.008 27.272,45.852 27.432,45.693 v2(27.432,45.652)
  Bottom Layer, Bottom w0.3: J5.3@15.9,70.75 19.925,70.75 D4.1@20.4,70.275 ; v2(27.432,45.652) 27.473,45.652 27.548,45.727 49.142,45.727 51.21,43.659 R35.1@53.933,43.659
LINEIN_R: D3.1 J5.6 R36.1 | length 76.3
  Top Layer, Top w0.3: J5.6@8.1,70.75 9.435,72.085 13.208,72.085 13.945,71.349 13.945,69.596 14.707,68.834 21.184,68.834 23.571,66.446 23.571,49.073 26.822,45.822 v2(26.822,45.11)
  Bottom Layer, Bottom w0.3: D3.1@3.759,73.797 3.759,73.772 4.684,72.847 6.003,72.847 J5.6@8.1,70.75 ; v2(26.822,45.11) 27.635,45.11 27.802,45.277 48.906,45.277 52.474,41.709 R36.1@53.933,41.709
MIC: C42.2 C45.2 D5.1 J3.2 J6.3 R40.1 R41.2 | length 119.5
  Top Layer, Top w0.3: J6.3@15.9,42.75 23.471,42.75 v2(25.197,44.475)
  Bottom Layer, Bottom w0.3: J3.2@13.894,18.182 21.924,18.182 23.275,19.533 23.275,41.241 22.316,42.2 D5.1@20.4,42.2 ; J6.3@15.9,42.75 D5.1@20.625,42.75 ; v2(25.197,44.475) 25.197,44.516 24.951,44.762 24.951,45.353 25.775,46.177 74.17,46.177 75.082,45.265 C42.2@75.082,34.635 ; R41.2@72.383,38.669 72.383,34.214 R40.1@72.358,34.189 74.638,34.189 C42.2@75.083,34.634